# Altium PCB Wireless_thermometer_one_PCB.PcbDoc (continued)
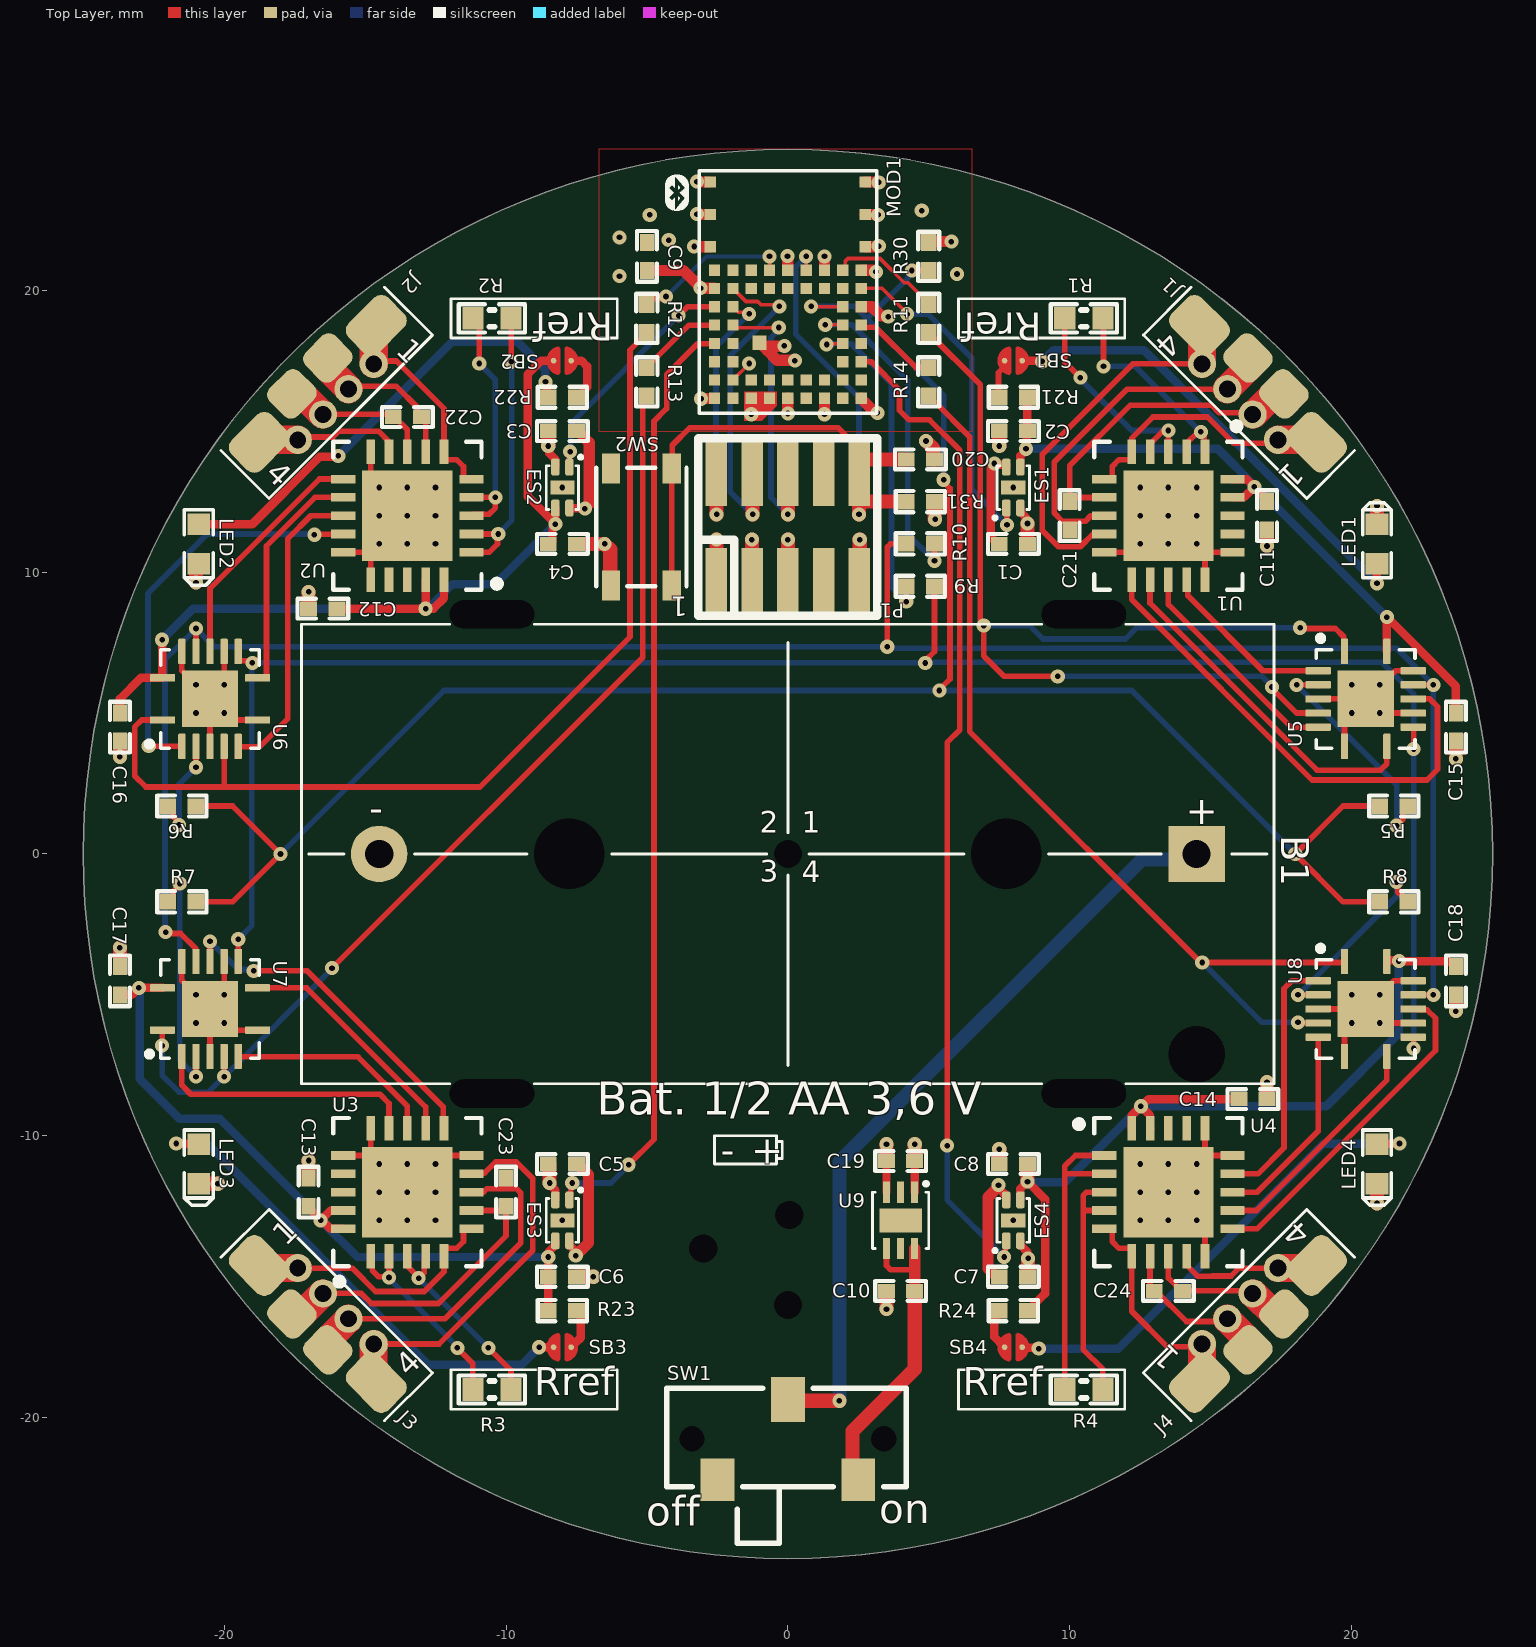
[diagram p0: Top Layer view]
## Footprints (in the part's own frame and the unit in brackets; to place one, negate y for a bottom-side part, rotate by r counter-clockwise, add the part's x,y. Pads: shape width x height; smd on the part's side, far side on the other; paste and mask are expansions set on the pad) (continued)
SOLDERBRIDGE [mm]
  round 0.2 smd paste-10: 1(-0.312,0) 2(0.312,0)
  Top Layer region: 0.077,0.432 0.152,0.505 0.271,0.467 0.335,0.424 0.409,0.351 0.462,0.292 0.521,0.193 0.549,0.099 0.544,-0.122 0.518,-0.193 0.434,-0.33 0.351,-0.411 0.259,-0.469 0.157,-0.5 0.107,-0.483 0.077,-0.43
  Top Layer region: -0.077,-0.432 -0.152,-0.505 -0.271,-0.467 -0.335,-0.424 -0.409,-0.351 -0.462,-0.292 -0.521,-0.193 -0.549,-0.099 -0.544,0.122 -0.518,0.193 -0.434,0.33 -0.351,0.411 -0.259,0.469 -0.157,0.5 -0.107,0.483 -0.077,0.43
  Top Layer lines w0.152: 0.153,0.431 cw(c0.042,0) 0.153,-0.431 ; -0.153,0.431 ccw(c-0.042,0) -0.153,-0.431
STLQ020PU33R [mm]
  rect 0.25x0.75 smd mask+0.05: 1(-0.5,-1) 2(0,-1) 3(0.5,-1) 4(0.5,1) 5(0,1) 6(-0.5,1)
  rect 1.5x0.85 smd mask+0.05: 2(0,0)
  silkscreen extent -1,-1.31 1,1, body extent -1.05,-1.06 1.05,1.06, height 0.81

## Part data
B1: "Tip Plg 108 Phe Bagged NKL#9HHS108", Manufacturer="Keystone Electronics", Manufacturer Part Number=108, Max Operating Temperature=145°C, Min Operating Temperature=-50°C, Package Quantity=1, Supplier Part Number 1=36-108-ND, Approvals=UL, Body Material=Plastic, Category="Batteries and Accessories", ComponentLink1Description=https://datasheet.ciiva.com/3/108-3991.pdf?src-supplier=Digi-Key, ComponentLink1URL=https://datasheet.ciiva.com/3/108-3991.pdf?src-supplier=Digi-Key, ComponentLink2Description=https://datasheet.ciiva.com/1391/1718250-1391263.pdf?src-supplier=Element14, ComponentLink2URL=https://datasheet.ciiva.com/1391/1718250-1391263.pdf?src-supplier=Element14, ComponentLink3Description=https://datasheet.ciiva.com/20221/18-0102-20221614.pdf?src-supplier=Rapid+Electronics, ComponentLink3URL=https://datasheet.ciiva.com/20221/18-0102-20221614.pdf?src-supplier=Rapid+Electronics, ComponentLink4Description=https://datasheet.ciiva.com/20221/18-2995-20221661.pdf?src-supplier=Rapid+Electronics, ComponentLink4URL=https://datasheet.ciiva.com/20221/18-2995-20221661.pdf?src-supplier=Rapid+Electronics, ComponentLink5Description=https://datasheet.ciiva.com/16322/m60-2p18-16322534.pdf?src-supplier=Future+Electronics, ComponentLink5URL=https://datasheet.ciiva.com/16322/m60-2p18-16322534.pdf?src-supplier=Future+Electronics, Contact Material=Brass,Nickel, Contact Plating=Nickel,Tin, Lead Free="Lead Free", Lead Length=3.56mm, Material=Brass,Plastic, Mount="Through Hole,PCB,Screw", Number of Batteries=1, Number of Cells=1, Number of Pins=2, Packaging=Tray, Pricing 1="1=1,50000, 25=1,27160, 100=1,04920, 250=0,96544, 500=0,90634, 1000=0,84723, 2500=0,76842, 5000=0,70931 (USD)", REACH SVHC="No SVHC", RoHS=Yes, Series=-, Stock 1=10973, Supplier 1=Digi-Key, Termination="PC Pin"
C1 C2 C3 C4 C5 C6 C7 C8 C9 C10 C11 C12 C13 C14 C15 C16 C17 C18 C19 C20 C21 C22 C23 C24: library part CAP_0402, "Capacitor, X5R, ±5%", Part Number=C0402-1µ0, Footprint Doc=0402, LatestRevisionDate=2016-08-22, Pin Count=2, Published=2009-05-08, Publisher="Nordic Semiconductor"
ES1 ES2 ES3 ES4: "MIC94300 Series Single 3.6 V 200 mA Ripple Blocker Technology Load Switch -MLF-4", Current Rating=200mA, Manufacturer=Microchip, Max Operating Temperature=125°C, Max Supply Current=1uA, Min Operating Temperature=-40°C, Operating Supply Voltage=3.6V, Package Quantity=5000, Supplier Part Number 1=576-4011-1-ND, Category="Hot Swap Controllers", ComponentLink1Description=https://datasheet.ciiva.com/1957/mic94300-1957169.pdf?src-supplier=Digi-Key, ComponentLink1URL=https://datasheet.ciiva.com/1957/mic94300-1957169.pdf?src-supplier=Digi-Key, ComponentLink2Description=https://datasheet.ciiva.com/22629/1563190-22629143.pdf?src-supplier=Element14, ComponentLink2URL=https://datasheet.ciiva.com/22629/1563190-22629143.pdf?src-supplier=Element14, ComponentLink3Description=https://datasheet.ciiva.com/1955/mic94300-1955787.pdf?src-supplier=Digi-Key, ComponentLink3URL=https://datasheet.ciiva.com/1955/mic94300-1955787.pdf?src-supplier=Digi-Key, ComponentLink4Description=https://datasheet.ciiva.com/1956/mic94300-1956219.pdf?src-supplier=Digi-Key, ComponentLink4URL=https://datasheet.ciiva.com/1956/mic94300-1956219.pdf?src-supplier=Digi-Key, ComponentLink5Description=https://datasheet.ciiva.com/15200/getdatasheetpartid-478360-15200797.pdf?src-supplier=Verical, ComponentLink5URL=https://datasheet.ciiva.com/15200/getdatasheetpartid-478360-15200797.pdf?src-supplier=Verical, Fault Protection="Over Temperature", Interface=On/Off, Lead Free="Lead Free", Manufacturer Part Number=MIC94300YMT-TR, Max Output Current=200mA, Mount="Surface Mount", Number of Outputs=1, Number of Pins=4, Output Configuration="High Side", Output Current=200mA, Packaging="Tape and Reel", Pricing 1="1=0,34000, 25=0,30000 (USD)", Radiation Hardening=No, Rated Current-Max=200mA, REACH SVHC="No SVHC", RoHS=Yes, RoHS Compliant=Yes, Series="Ripple Blocker™", Stock 1=47472, Supplier 1=Digi-Key, Turn-On Delay Time=150us
J1 J2 J3 J4: library part CON-RTD
LED1 LED2 LED3 LED4: library part D:LED, "LED, Green, 0603, 573nm, Vf=2.0V, 24mcd, - 40 to +85°C", Manufacturer="Victory Electronics", Manufacturer Part Number="VS 25C7M5", Part number IPS=N.A., Artikkelnr Noca=13019193, ComponentLink1Description=Datasheet, ComponentLink2Description="Supplier link", Footprint Doc=0603, HelpURL="\\hizz\pro\app9717\Datasheet\optoelectronics\Victory Electronics\VS 25C7M5.pdf", LatestRevisionDate=2017-08-21, Part Number="VS 25C7M5", Pin Count=2, Published=2017-08-21, Publisher="Nordic Semiconductor", Supplier 1="EC Partner"
MOD1: "BL653µ Integrated Antenna module, 453-00059", Manufacturer=Laird, Manufacturer Part Number=453-00059, Operating Temperature=-40C~85C, Datasheet Link=https://connectivity-staging.s3.us-east-2.amazonaws.com/s3fs-public/2018-12/BL654%20Datasheet%20v1_6.pdf, Mounting=SMT, Substitutes Allowed=NO
P1: library part "Pin Header 2x5 SMD, 1.27mm, KS", "Pin Header 2x5, 1.27mm (50mil), SMD, Keying Shroud", Manufacturer=W-CON, Manufacturer Part Number=3132-10MS0BK00R1, Part number IPS=00000009968, Artikkelnr Noca=55010009, ComponentLink1Description=Datasheet, ComponentLink2Description="Supplier link", Footprint Doc=HDR_2x5-SMD-1.27mm, HelpURL=\\hizz\pro\app9717\Datasheet\connectores\W-CON\3132-XXMXXBK00XX.pdf, LatestRevisionDate=2016-04-21, Part Number="Pin Header 2x5 SMD, 1.27mm, KS", Pin Count=10, Published=2016-01-22, Publisher="Nordic Semiconductor", Supplier 1=Cabcon, Supplier 2=Samtec, Supplier Part Number 1=3132-10MS0BK00R1, Supplier Part Number 2=FTSH-105-01-F-DV-K
R1 R2 R3 R4: library part RES_0603, "Resistor, ±0,1%", Part Number=R0603-430R, Footprint Doc=0603, LatestRevisionDate=2015-06-10, Pin Count=2, Published=2015-06-10, Publisher="Nordic Semiconductor"
R5 R6 R7 R8 R9 R10 R11 R12 R13 R14 R21 R22 R23 R24 R30 R31: library part RES_0402, "Resistor, ±0,1%", Part Number=R0603-430R, Footprint Doc=0603, LatestRevisionDate=2015-06-10, Pin Count=2, Published=2015-06-10, Publisher="Nordic Semiconductor"
SB1 SB2 SB3 SB4: library part SOLDERBRIDGE, Part number IPS=N.A., Artikkelnr Noca=N.A., ComponentLink1Description=Datasheet, ComponentLink2Description="Supplier link", Footprint Doc=Solderbridge, LatestRevisionDate=2009-12-14, Part Number=Solderbridge, Pin Count=2, Published=2009-12-14, Publisher="Nordic Semiconductor"
SW1: "Slide Switch, 2 Positions, SPDT, Latched, 0.2A, 12VDC, Solder Terminal, Through Hole-right Angle", Current Rating=200mA, Manufacturer="Nidec Copal", Max Operating Temperature=85°C, Min Operating Temperature=-40°C, Operating Force=153gf, Supplier Part Number 1=56AC5276, Voltage Rating (DC)=12V, Actuator Length=2mm, Actuator Material=Nylon,Polyamide, Actuator Type=Standard, Category="Slide Switches", ComponentLink1Description=https://datasheet.ciiva.com/6462/cl-sb-6462005.pdf?src-supplier=Digi-Key, ComponentLink1URL=https://datasheet.ciiva.com/6462/cl-sb-6462005.pdf?src-supplier=Digi-Key, ComponentLink2Description=https://datasheet.ciiva.com/6462/cl-sb-6462006.pdf?src-supplier=Digi-Key, ComponentLink2URL=https://datasheet.ciiva.com/6462/cl-sb-6462006.pdf?src-supplier=Digi-Key, ComponentLink3Description=https://datasheet.ciiva.com/6462/cl-sb-6462009.pdf?src-supplier=Digi-Key, ComponentLink3URL=https://datasheet.ciiva.com/6462/cl-sb-6462009.pdf?src-supplier=Digi-Key, Contact Material=Copper, Contact Plating=Gold, Contact Style=Non-Shorting, Electrical Life=10000Cycles, Manufacturer Part Number=CL-SB-12A-12T, Mount="Surface Mount", Packaging="Tape and Reel", Pricing 1="1=1,08000, 10=1,03000, 25=0,97200, 50=0,91300, 100=0,85000, 250=0,78000 (USD)", RoHS=Yes, Stock 1=490, Supplier 1=Newark, Switch Function=On-On, Switch Travel=2mm, Throw Configuration=SPDT
SW2: library part "PTS810 SJK 250 SMTR LFS", "Tactile Switch, SPNO, SMD, 260gf, 4.2x3.2x2.5mm", Manufacturer="C&K Components", Part number IPS=00000001259, Supplier Part Number 1=CKN10503TR-ND, Artikkelnr Noca=N.A., ComponentLink1Description=Datasheet, ComponentLink2Description="Supplier link", Footprint Doc=PTS810, HelpURL=http://www.ckswitches.com/media/1476/pts810.pdf, LatestRevisionDate=2017-11-09, Manufacturer Part Number="PTS810 SJK 250 SMTR LFS", Part Number="PTS810 SJK 250 SMTR LFS", Pin Count=4, Published=2017-09-18, Publisher="Nordic Semiconductor", Supplier 1=Digi-Key
U1 U2 U3 U4: "Circuit Protection Misc Resistance Temperature Detector to Digital Converter", Case/Package=QFN, Manufacturer=Maxim, Manufacturer Part Number=MAX31865ATP+T, Max Operating Temperature=125°C, Min Operating Temperature=-40°C, Package Quantity=2500, Supplier Part Number 1=9084949, Category="Power Management ICs", ComponentLink1Description=https://datasheet.ciiva.com/14320/max31865-14320743.pdf?src-supplier=Avnet, ComponentLink1URL=https://datasheet.ciiva.com/14320/max31865-14320743.pdf?src-supplier=Avnet, ComponentLink2Description=https://datasheet.ciiva.com/25893/max31865-25893916.pdf?src-supplier=Avnet+Europe, ComponentLink2URL=https://datasheet.ciiva.com/25893/max31865-25893916.pdf?src-supplier=Avnet+Europe, ComponentLink3Description=https://datasheet.ciiva.com/14083/max31865-14083679.pdf?src-supplier=Digi-Key, ComponentLink3URL=https://datasheet.ciiva.com/14083/max31865-14083679.pdf?src-supplier=Digi-Key, Interface=SPI, Number of Pins=20, Output Type=SPI, Packaging="Tape and Reel", Pricing 1="2500=4,42000 (USD)", Radiation Hardening=No, RoHS=Yes, RoHS Compliant=Yes, Series=-, Supplier 1="Future Electronics"
U5 U6 U7 U8: "Quadruple Bus Buffer Gate With 3-State Outputs 14-VQFN -40 to 125", Package=None, Availability=Unavailable, MP=SN74LVC125ARGYR, Price=None
U9: "Ldo, Fixed, 3.3V, 0.2A, -40 to 125DEG C;", Manufacturer=STMicroelectronics, Supplier Part Number 1=511-STLQ020PU33R, Category=Uncategorized, Manufacturer Part Number=STLQ020PU33R, Pricing 1="1=0,60000, 10=0,49400, 50=0,49400, 100=0,40300, 1000=0,25500, 10000=0,24000 (USD)", RoHS=No, Stock 1=5768, Supplier 1=Mouser

## Free pads (board coordinates)
  round 0.55 hole 1 unplated: 5(-3,-14) 5(0,-16) 5(0,0) 5(0.051,-12.811)

## Via types
v1: diameter 0.5, hole 0.2, Top Layer to Bottom Layer, tented both sides, 207 vias

## Nets (pads, with @x,y where several pads share a name; then routed paths per layer and width w, separated by ;. In a path a pad name is that pad's centre, name@x,y a point inside that pad or via, vN(x,y) a via of type N, cw(c..) or ccw(c..) an arc to the next point about the centre after c; other vN are vias at no path point)
CS_U1: R11.2 U5.1 U5.5 | length 38.8
  Top Layer w0.2: R11.2 5,18.475 6.825,16.65 6.825,8.306 6.95,8.181 6.95,7.025 7.675,6.3 v1(9.575,6.3) ; v1(17.175,5.925) 17.175,5.875 18.05,5 U5.5 ; v1(18.175,8.025) 18.2,8 19.425,8 19.72,7.705 19.72,7.215 U5.1
  Bottom Layer w0.2: v1(6.95,8.1) 8.575,8.1 9.05,7.625 11.975,7.625 12.375,8.025 v1(18.175,8.025) ; v1(9.575,6.3) 16.832,6.3 17.175,5.957 v1(17.175,5.925)
CS_U2: R12.2 U6.1 U6.5 | length 35.3
  Top Layer w0.2: U6.1 -22.925,4.75 -23.175,4.5 -23.175,2.775 -22.775,2.375 -20,2.375 ; U6.5 -20,2.375 ; R12.2 -5,18.475 -5.6,17.875 -5.6,7.7 -10.925,2.375 -20,2.375
CS_U3: R13.2 U7.1 U7.5 | length 35.4
  Top Layer w0.2: v1(-22.2,-6.8) -22.2,-6.265 U7.1 ; v1(-20,-7.9) U7.5 ; v1(-16.175,-4.05) -5.15,6.975 -5.15,16.1 R13.2
  Bottom Layer w0.2: v1(-22.2,-6.8) -22.2,-7.85 -21.6,-8.45 -20.55,-8.45 v1(-20,-7.9) -19.975,-7.875 -16.175,-4.075 v1(-16.175,-4.05)
CS_U4: R14.2 U8.1 U8.5 | length 34.2
  Top Layer w0.125: R14.2 5,16.225 5.175,16.05 R14.2@5.2,16.05
  Top Layer w0.2: R14.2@5.2,16.05 6.45,14.8 6.45,4.35 14.65,-3.85 19.72,-3.85 19.725,-3.845 U8.1@19.725,-3.8 ; v1(18.1,-5.975) 18.112,-5.987 18.802,-5.987 U8.5
  Bottom Layer w0.2: v1(14.7,-3.85) 16.825,-5.975 v1(18.1,-5.975)
EN_U1: ES1.1 MOD1.10 | length 12
  Top Layer w0.125: MOD1.10 3.343,20.062 4.225,19.181 v1(4.225,19.15)
  Top Layer w0.2: ES1.1 7.762,12.263 7.762,11.688 v1(7.775,11.675)
  Bottom Layer w0.2: v1(4.225,19.15) 4.975,19.15 6.525,17.6 6.525,12.925 v1(7.775,11.675)
EN_U2: ES2.1 MOD1.29 | length 8.4
  Top Layer w0.2: ES2.1 -7.737,13.738 -7.737,14.238 v1@-7.725,14.25 ; v1(-3.875,19.1) -3.563,19.412 MOD1.29
  Bottom Layer w0.2: v1(-7.725,14.275) -7.7,14.3 -7.7,15.275 v1(-3.875,19.1)
EN_U3: ES3.1 MOD1.27 | length 33.7
  Top Layer w0.2: ES3.1 -7.738,-12.263 -7.738,-12.125 -7.7,-12.087 -7.7,-11.793 -7.65,-11.743 v1(-7.65,-11.675) ; v1(-5.65,-11.025) -4.75,-10.125 -4.75,15.35 -4.3,15.8 -4.3,17 -3.2,18.1 -2.613,18.1 MOD1.27
  Bottom Layer w0.2: v1(-7.65,-11.675) -6.275,-11.675 -5.65,-11.05 v1(-5.65,-11.025)
EN_U4: ES4.1 MOD1.14 | length 35.5
  Top Layer w0.2: MOD1.14 2.963,17.463 3.962,16.462 3.962,15.738 4.3,15.4 5.025,15.4 6.1,14.325 6.1,4.4 5.65,3.95 v1(5.65,-10.35) ; v1(7.675,-14.3) 7.712,-14.263 7.712,-13.762 ES4.1
  Bottom Layer w0.2: v1(5.65,-10.35) 5.65,-12.275 v1(7.675,-14.3)
GND: B1.2 C1.1 C2.1 C3.1 C4.1 C5.1 C6.1 C7.1 C8.1 C9.1 C10.1 C11.1 C12.1 C13.2 C14.1 C15.1 C16.1 C17.1 C18.1 C19.1 C20.1 ES1.2 ES2.2 ES3.2 ES4.2 LED1.1 LED2.1 LED3.1 LED4.1 MOD1.1 MOD1.3 MOD1.5 MOD1.7 MOD1.9 MOD1.11 MOD1.16 MOD1.18 MOD1.20 MOD1.24 MOD1.48 MOD1.G1 MOD1.G2 MOD1.G3 MOD1.G4 MOD1.G5 MOD1.G6 MOD1.G7 P1.3 P1.5 P1.9 SW2.1 U1.10 U1.15 U1.16 U1.21 U2.10 U2.15 U2.16 U2.21 U3.10 U3.15 U3.16 U3.21 U4.10 U4.15 U4.16 U4.21 U5.4 U5.7 U5.10 U5.13 U5.15 U6.4 U6.7 U6.10 U6.13 U6.15 U7.4 U7.7 U7.10 U7.13 U7.15 U8.4 U8.7 U8.10 U8.13 U8.15 U9.3 | length 78
  Top Layer w0.125: MOD1.48 -1.375,17.388 v1(-1.375,17.4)
  Top Layer w0.2: U7.13 -21.5,-4.5 -21.225,-4.775 U7.15@-21.225,-4.825 ; U6.13 -21.5,6.5 v1(-21,6) ; U6.15@-21.225,4.75 -20.95,5.025 U6.15@-20.975,5.025 ; U6.15@-20.9,5.025 -20.5,4.625 U6.4 ; U7.15@-20.85,-6.25 U7.15@-20.75,-6.15 ; U7.4 U7.15@-20.5,-6.05 ; U6.15@-20.025,4.975 -19.8,4.75 U6.7 ; U7.15@-20,-6.25 U7.7 ; U7.10 -20,-5.025 U7.15@-19.975,-5.05 ; v1(-20,6) U6.10 ; U3.16 -14.881,-10.7 U3.21@-14.8,-10.781 ; U2.15 -14.881,10.7 -14.581,11 U2.21@-14.525,11 ; U2.21@-15,13 U2.21@-15,13.081 ; U2.21@-14.975,10.944 U2.21@-14.975,11.05 ; U3.15 U3.21@-14.8,-10.781 ; U2.16 -14.8,10.619 -14.525,10.894 U2.21@-14.525,11 ; U2.10 -14.8,13.381 -14.525,13.106 U2.21@-14.525,13 ; U3.21@-14.675,-11 -14.8,-10.875 U3.21@-14.8,-10.781 ; U2.21@-14.525,11.025 U2.21@-14.525,11 ; U3.21@-14.475,-11.025 -14.556,-11.025 U3.21@-14.8,-10.781 ; U3.21@-13.875,-12.75 U3.21@-13.825,-12.8 ; U2.21@-13.525,12.525 U2.21@-13.2,12.85 ; U2.21@-13,12.975 -13,13.081 U2.21@-12.7,13.381 ; U3.21@-12.525,-12.975 -12.444,-12.975 U3.21@-12.119,-13.3 ; U3.21@-12.525,-11.025 -12.444,-11.025 -12.119,-10.7 U3.10 ; v1(-12.5,13) -12.5,13.081 U2.21@-12.2,13.381 ; C3.1@-8.512,14.988 C3.1 ; U1.10 12.132,10.7 12.432,11 U1.21@12.475,11 ; U1.21@12.132,13.3 12.457,12.975 U1.21@12.5,12.975 ; U4.21@12.2,-13.381 12.5,-13.081 v1(12.5,-13) ; U4.21@14.45,-11 14.581,-11 14.881,-10.7 U4.15 ; U4.21@14.475,-13 U4.21@14.475,-12.95 ; U4.21@14.525,-12.975 14.525,-13.106 14.8,-13.381 U4.10 ; U4.21@14.525,-10.975 14.525,-10.894 14.8,-10.619 U4.16 ; U1.21@14.525,11 U1.21@14.525,10.975 ; U1.15 14.8,10.632 14.525,10.907 U1.21@14.525,10.975 ; U1.16 14.868,10.7 14.593,10.975 U1.21@14.525,10.975 ; U8.4 19.95,-5.5 U8.15@19.975,-5.525 ; U5.4 U5.15@20.225,5.5 ; U8.7 19.75,-6.331 20,-6.081 U8.15@20,-5.975 ; U8.15@19.75,-4.669 19.95,-4.869 U8.15@19.95,-5 ; U5.7 19.75,4.669 20,4.919 U5.15@20,5.025 ; U5.15@19.75,6.331 20.025,6.056 U5.15@20.025,6 ; LED4.1@20.9,-11.799 LED4.1@21,-11.699 ; U8.15@20.95,-5.975 20.975,-6 U8.10 ; U5.15@20.95,5 U5.10 ; U8.15@21,-4.975 21.025,-4.975 21.495,-4.505 22.18,-4.505 U8.13 ; U5.15@21,5.975 21.04,5.975 21.545,6.48 21.565,6.5 U5.13
  Top Layer w0.3: v1(-8.5,14.475) -8.462,14.437 -8.462,14.212 -8.25,14 ES2.2@-8.25,13.725 ; v1(-8.45,-11.675) -8.45,-11.729 -8.25,-11.929 ES3.2@-8.25,-12.275 ; U9.3 C19.1 ; ES4.2@8.25,-13.725 8.25,-13.875 8.487,-14.112 8.487,-14.312 v1(8.525,-14.35) ; ES1.2@8.25,12.275 8.25,12.125 8.462,11.913 8.462,11.763 v1(8.5,11.725)
  Top Layer w0.4: v1(-3.325,21.55) -3.319,21.544 -2.756,21.544 MOD1.G5 ; v1(-3.225,22.7) -3.212,22.687 MOD1.G6 ; v1(-3.225,23.85) -3.215,23.84 MOD1.G7@-2.778,23.84 ; v1(-3.075,16.15) -3.065,16.16 -2.603,16.16 MOD1.24 ; MOD1.G1 -0.827,17.964 -0.737,17.875 -0.375,17.512 0.238,17.512 v1(0.25,17.5) ; MOD1.G1@-0.779,18.012 -0.138,18.012 v1(-0.125,18.025) ; v1(-0.011,21.211) 0,21.2 MOD1.5 ; v1(0,15.625) MOD1.20 ; v1(1.3,15.6) MOD1.18@1.3,16.15 ; MOD1.7 v1(1.3,21.2) ; MOD1.16 3.113,15.65 v1(3.175,15.65) ; MOD1.11 2.989,19.413 3.318,19.083 3.542,19.083 v1(3.561,19.064) ; MOD1.9 2.603,20.71 3.038,20.71 3.098,20.65 v1(3.125,20.65) ; MOD1.G3 2.753,22.685 3.19,22.685 v1(3.2,22.675) ; MOD1.G2 3.213,23.837 v1(3.225,23.825) ; MOD1.G4@2.753,21.535 2.759,21.54 3.176,21.54 3.198,21.563 v1(3.225,21.563)
  Top Layer w0.5: C17.1 v1(-23.7,-3.325) ; v1(-23.7,3.45) C16.1 ; v1(-21,9.625) LED2.1@-21,10.302 ; LED3.1@-20.975,-11.699 -20.973,-11.7 v1(-20.225,-11.7) ; C13.2 v1(-17,-10.875) ; C12.1 v1(-17,9.3) ; C3.1@-8.512,14.988 -8.5,14.975 v1(-8.5,14.475) ; C5.1 -8.45,-11 v1(-8.45,-11.675) ; C6.1 v1(-6.9,-15) ; C4.1 v1(-6.5,11) -6.3,10.8 -6.3,9.55 SW2.1 ; v1(-1.275,11.15) -1.275,9.655 P1.3 ; P1.5 v1(0,11.15) ; P1.9 2.55,9.66 v1(2.55,11.15) ; v1(3.5,-16.15) C10.1 ; C19.1 v1(3.5,-10.3) ; v1(4.9,14.65) 5.15,14.4 5.15,14 C20.1 ; C8.1 v1(7.5,-10.475) ; v1(7.5,14.475) C2.1 ; C1.1@8.475,11.025 8.5,11.05 v1(8.5,11.725) ; C7.1 8.525,-15 v1(8.525,-14.35) ; C14.1 v1(17,-8.1) ; v1(17,10.925) C11.1 ; v1(20.9,-12.4) 20.9,-11.799 LED4.1 ; v1(20.9,12.35) 20.9,11.799 LED1.1@21,11.699 ; v1(23.7,-5.575) C18.1 ; v1(23.7,3.375) C15.1
  other v1: -14.5,-13 -13.5,-13 -12.5,-13 -8,-13 8,-13 13.5,-13 14.5,-13 -14.5,-12 -13.5,-12 -12.5,-12 12.5,-12 13.5,-12 14.5,-12 -14.5,-11 -13.5,-11 -12.5,-11 12.5,-11 13.5,-11 14.5,-11 -21,-6 -20,-6 20,-6 21,-6 -21,-5 -20,-5 20,-5 21,-5 -21,5 -20,5 20,5 21,5 20,6 21,6 -14.5,11 -13.5,11 -12.5,11 12.5,11 13.5,11 14.5,11 -14.5,12 -13.5,12 -12.5,12 12.5,12 13.5,12 14.5,12 -14.5,13 -13.5,13 -8,13 8,13 12.5,13 13.5,13 14.5,13 -5.975,20.5 6,20.575 -4.225,21.775 -5.975,21.875 -4.9,22.675 4.75,22.825